# Altium PCB mchf_pro_ui.PcbDoc (part 2 of 5)
Units mil, origin at the board's own origin, x right, y up, seen from the top; angles counter-clockwise.
Board outline 7877.73 x 5661.04 mil, 2 copper layers (Top Layer, Bottom Layer); 336 components, 338 nets, 1291 pads, 827 vias.
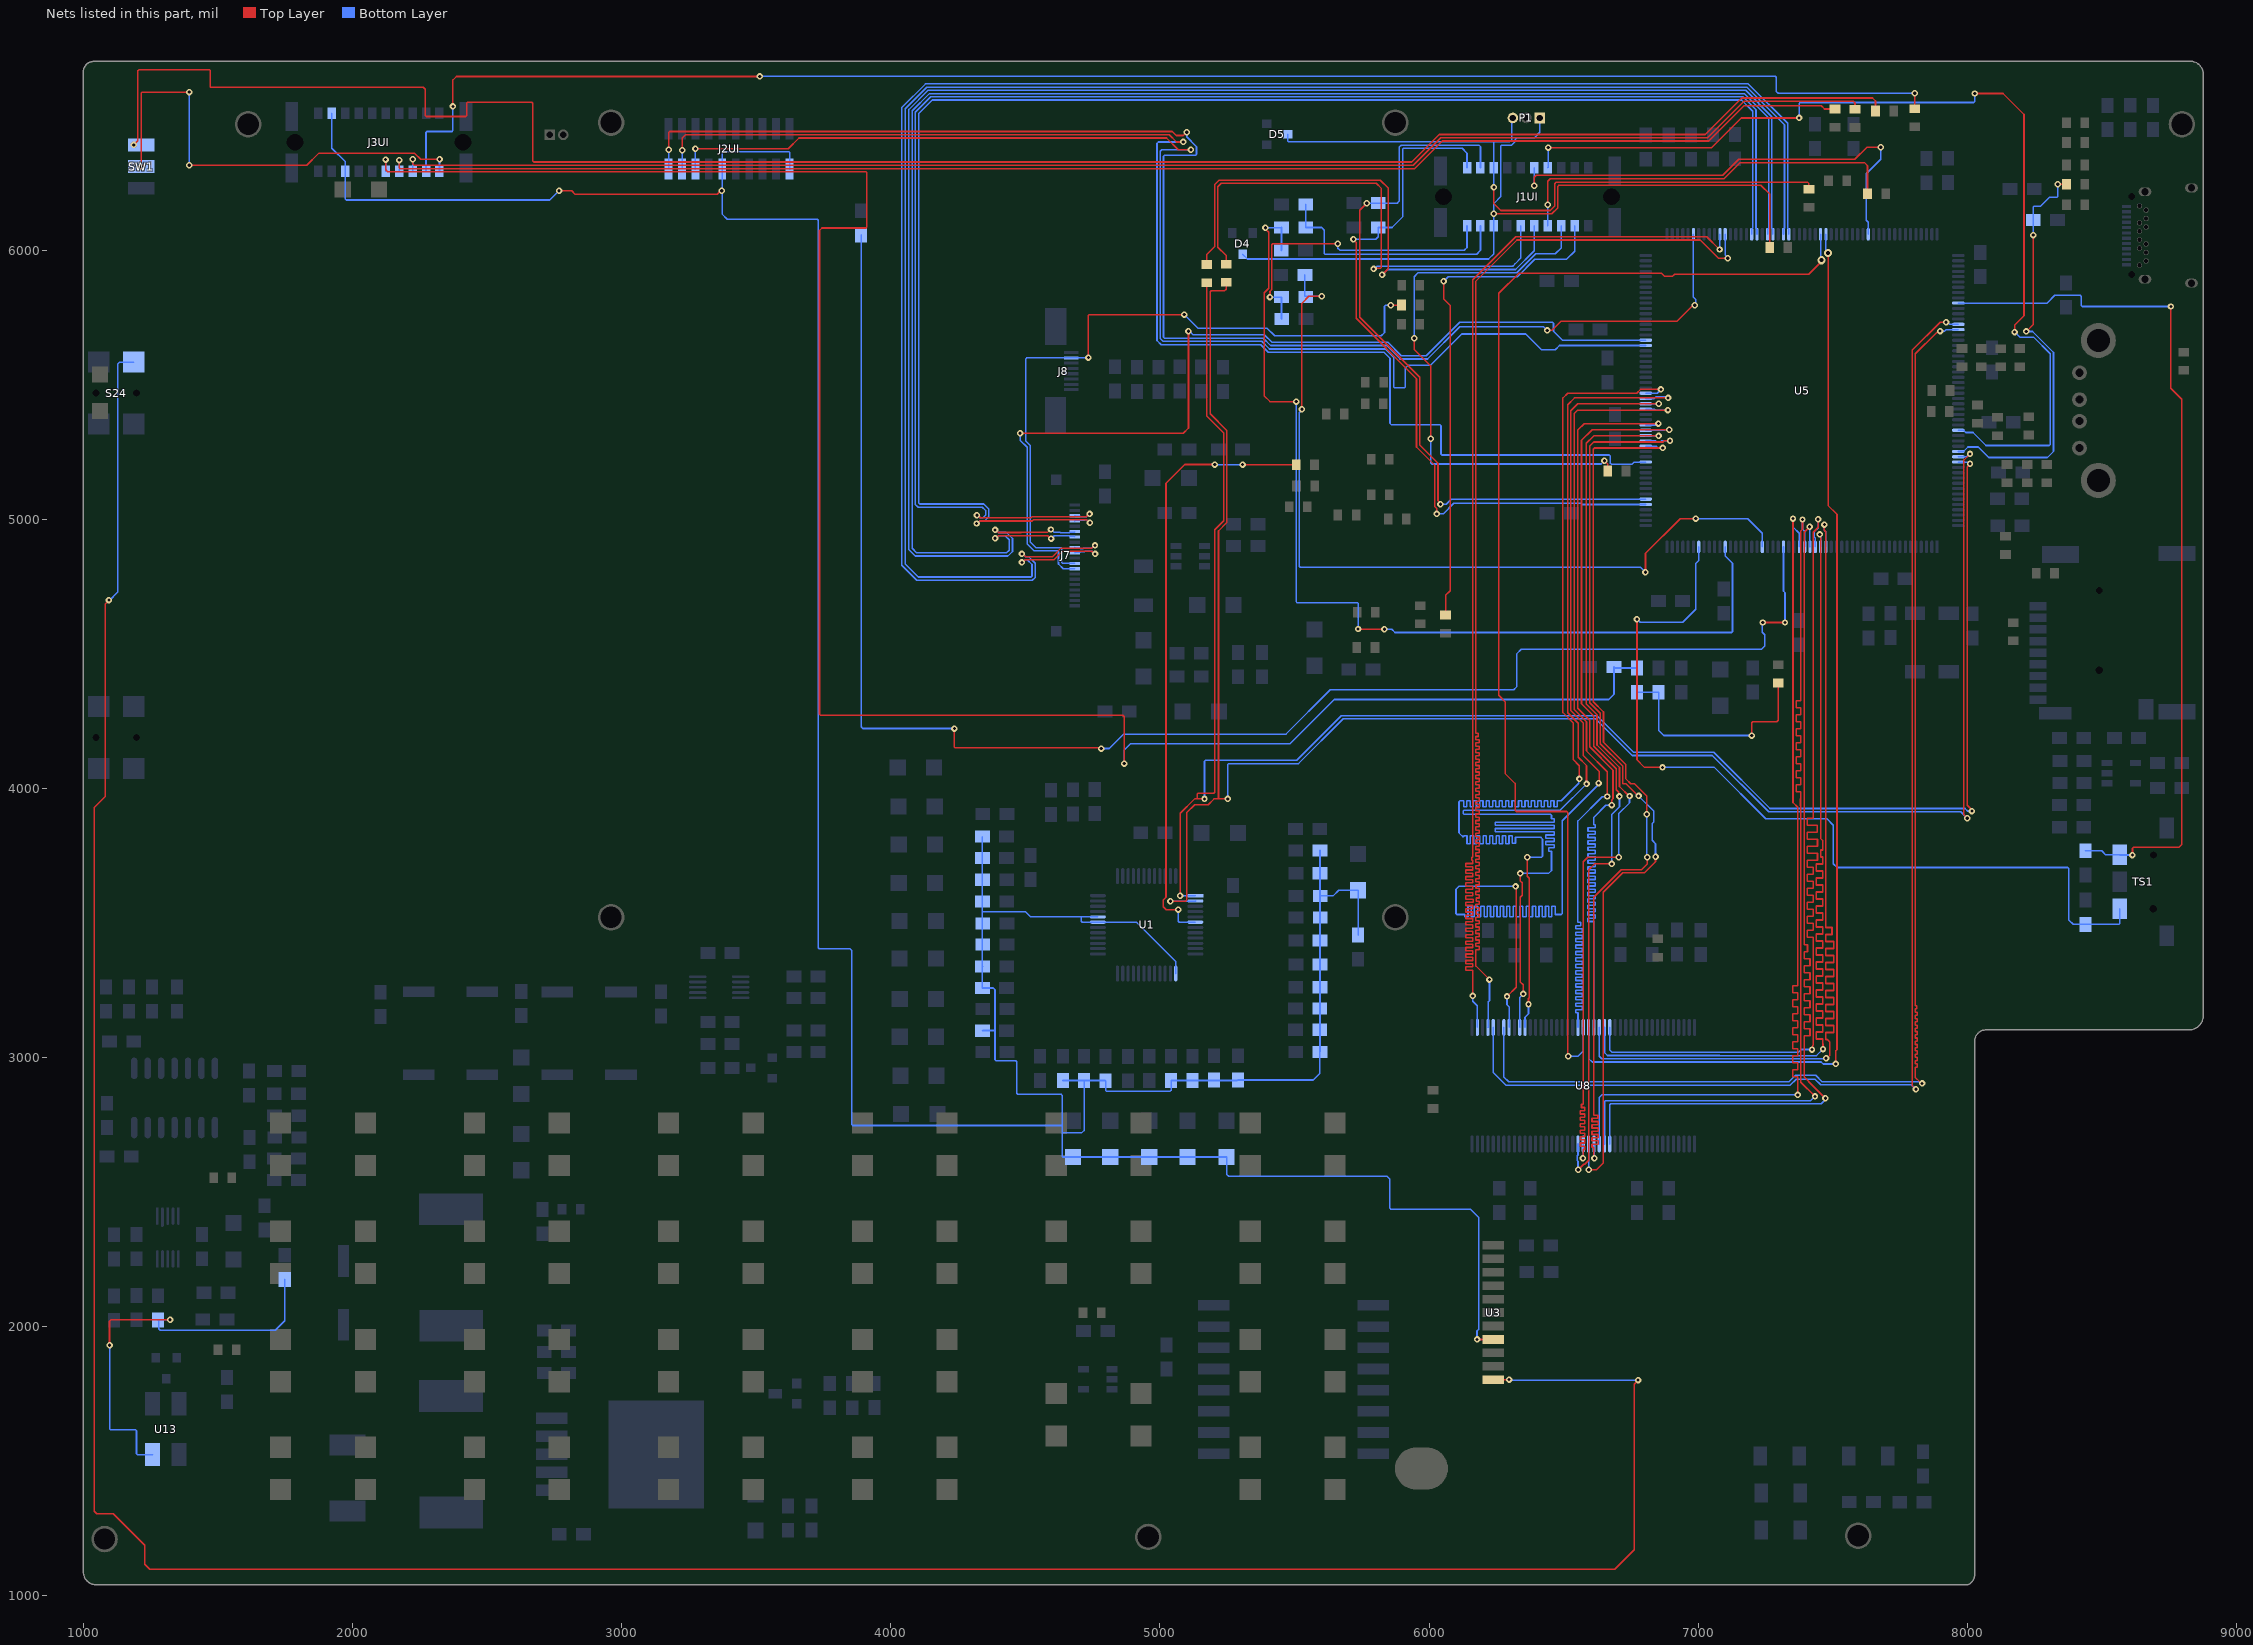
[diagram p2: the nets of this part, all layers, seen from the top]

## Via types
v1: diameter 24, hole 12, Top Layer to Bottom Layer, 621 vias
v2: diameter 30, hole 15, Top Layer to Bottom Layer, 206 vias

## Nets (pads, with @x,y where several pads share a name; then routed paths per layer and width w, separated by ;. In a path a pad name is that pad's centre, name@x,y a point inside that pad or via, vN(x,y) a via of type N, cw(c..) or ccw(c..) an arc to the next point about the centre after c; other vN are vias at no path point)
ADC3_INP1: D3.2 R21.2 U5.41 | length 3705.9
  Top Layer w6: v1(5391.73,6083.66) 5391.73,6079.56 5403.88,6067.41 5403.88,5859.02 5387.65,5842.79 5387.65,5458.99 5408.65,5437.99 v1(5506.56,5437.99) ; v1(5736.4,4592.9) 5736.65,4592.66 5833.82,4592.66 v1(5834.07,4592.41)
  Bottom Layer w6: v1(5391.73,6083.66) 5450.79,6083.66 R21.2@5451.77,6084.65 5451.77,6000 D3.2@5450.79,5999.02 ; v1(5506.56,5437.99) 5505.86,5437.29 5505.86,4695.16 5510.07,4690.94 5732.89,4690.94 5736.4,4687.43 v1(5736.4,4592.9) ; v1(5834.07,4592.41) 5860.82,4592.41 5873.38,4579.85 7123.94,4579.85 7127.45,4583.37 7127.45,4837.35 7100.36,4864.45 U5.41@7100.36,4898.21
ADC3_INP1x: C23.2 J1UI.A19 R21.1 | length 924
  Bottom Layer w6: C23.2@5541.77,6170.28 R21.1@5541.77,6084.65 5601.01,6084.65 5610.7,6074.95 5610.7,6069.98 5610.24,6069.52 5610.24,5988.54 5613.19,5985.59 6176.63,5985.59 6191.04,5999.99 J1UI.A19@6191.04,6090.79
ADC3_INP3: D1.2 M43.1 R7.2 | length 864.6
  Top Layer w6: v1(7199.1,4196.9) 7198.87,4197.13 7198.87,4244.55 7202.38,4248.06 7291.34,4248.06 7297.21,4253.93 M43.1@7297.21,4392.4
  Bottom Layer w6: R7.2@6772.87,4357.83 D1.2@6853.11,4357.83 6853.11,4215.59 6871.69,4197.02 7198.98,4197.02 v1(7199.1,4196.9)
ADC3_INP3x: C14.2 J3UI.A6 R7.1 | length 7510.5
  Top Layer w6: v1(2122.9,6336.96) 2122.9,6299.15 2130.71,6291.34 3907.83,6291.34 3911.34,6287.82 3911.34,6086.62 3907.83,6083.1 3744.09,6083.1 3744.09,6082.78 3735.24,6073.93 3735.24,4275.84 3738.75,4272.32 4861.52,4272.32 4867.12,4266.73 v1(4867.12,4092.81)
  Bottom Layer w6: v1(2122.9,6336.96) 2122.9,6293.44 J3UI.A6@2123.03,6293.31 ; v1(4867.12,4092.81) 4867.12,4143.46 4890.23,4166.58 5483.32,4166.58 5647.73,4330.98 6667.23,4330.98 6687.13,4350.89 C14.2@6687.13,4452.17 6691.47,4447.83 R7.1@6772.87,4447.83
ADC3_INP6: D2.2 R20.2 U5.34 | length 3133.7
  Top Layer w6: v1(5527.56,5409.45) 5527.56,5803.7 5553.13,5829.26 v1(5601.01,5829.26) ; v1(6804.06,4804.13) 6804.06,4874.13 6933.05,5003.12 v1(6991,5003.12)
  Bottom Layer w6: v1(5527.56,5409.45) 5527.56,5406.63 5517.86,5396.93 5517.86,4826.14 5521.38,4822.62 6785.57,4822.62 v1(6804.06,4804.13) ; D2.2@5538.69,5908.96 5538.69,5829.26 v1(5601.01,5829.26) ; v1(6991,5003.12) 7184.08,5003.12 7238.16,4949.05 U5.34@7238.16,4898.21
ADC3_INP6x: C22.2 J1UI.A20 R20.1 | length 1154
  Top Layer w6: v1(5408.65,5826.18) 5409.02,5826.55 5409.02,5847.18 5415.88,5854.05 5415.88,6021.09 5419.4,6024.61 v1(5660.43,6024.61)
  Bottom Layer w6: v1(5408.65,5826.18) R20.1@5451.77,5826.18 5451.77,5745.52 C22.2@5452.63,5744.66 ; v1(5660.43,6024.61) 5661.2,6023.84 5661.2,6007.67 5668.87,6000 6130.91,6000 6141.04,6010.13 J1UI.A20@6141.04,6090.79
ADC3_INP8: R30.1 U5.30 | length 5945.9
  Top Layer w6: v1(4236.22,4223.1) 4236.22,4154.54 4239.74,4151.03 4779.42,4151.03 v1(4781.73,4148.72) ; v1(7239.47,4617.07) v1(7322.48,4617.07)
  Bottom Layer w6: R30.1@3889.76,6056.96 3889.76,4229.33 3896,4223.1 v1(4236.22,4223.1) ; v1(4781.73,4148.72) 4811.6,4148.72 4865.46,4202.58 5468.41,4202.58 5632.81,4366.98 6314.43,4366.98 6325.24,4377.79 6325.24,4500.14 6342.88,4517.78 7234.96,4517.78 7247.09,4529.91 7247.09,4571.8 7238.16,4580.74 7238.16,4615.75 v1(7239.47,4617.07) ; U5.30@7316.9,4898.21 7316.9,4733.89 7322.48,4728.3 v1(7322.48,4617.07)
AGND: CC7.1 CC8.1 CC9.2 CC10.2 CC11.1 CC12.1 CC14.1 CC14E.2 CC15.1 CC16.1 CC17.1 CC17E.2 CC18.2 CC18E.2 CC19.1 CC19E.2 CC20.2 CC20E.2 CC21.2 CC22.2 CC23.1 CC24.1 CC25.2 CC26.2 CC27.2 CC28.1 CC29.1 CC30.1 CC33.2 CC34.2 J2UI.A11 J2UI.A16 J3UI.A3 J3UI.A12 M1.2 R5.2 R6.2 U1.13 U1.31 U1.32 U3.8 | length 14084.9
  Top Layer w6: v1(2767.38,6221.26) 2767.54,6221.11 2814.23,6221.11 2826.52,6208.82 3354.87,6208.82 3367.16,6221.11 v1(3372.04,6221.11) ; v1(6178.29,1953.09) 6238.13,1953.09 U3.8@6238.19,1953.15
  Bottom Layer w6: J3UI.A12@1923.03,6509.84 1923.03,6379.13 1973.62,6328.55 1973.62,6190.52 1977.13,6187.01 2733.13,6187.01 v1(2767.38,6221.26) ; v1(3372.04,6221.11) 3372.92,6221.11 v1@3373.07,6221.26 ; J2UI.A11@3623.82,6301.97 3624.22,6302.37 3624.22,6363.38 3620.7,6366.89 3377.28,6366.89 3373.76,6363.38 J2UI.A16@3373.82,6301.97 J2UI.A16@3373.82,6301.97 3373.07,6301.22 v1@3373.07,6221.26 ; R5.2@4340.18,3821.71 R6.2@4340.18,3742.04 4340.18,3661.34 4340.18,3579.78 4340.18,3543.03 ; CC26.2@4340.34,3100.01 4341.24,3100.91 4387.03,3100.91 ; CC28.1@4341.09,3339 CC28.1@4340.18,3339 ; CC24.1@4639.73,2915.21 CC23.1@4718.3,2915.21 ; U1.32@4769.37,3523.35 4707.35,3523.35 ; U1.13@5058.74,3312.72 5058.74,3357.79 4912.87,3503.66 U1.31@4769.37,3503.66 4710.87,3503.66 4707.35,3507.18 4707.35,3523.35 ; CC7.1@5594.87,3770.01 5594.87,3685.49 CC9.2@5594.87,3601.11 ; M1.2@5736.4,3455.74 CC14E.2@5736.4,3622.39 5664.14,3622.39 5642.86,3601.11 CC9.2@5596.03,3601.11 CC9.2@5594.87,3601.11 ; v1(6178.29,1953.09) 6178.29,1984.39 6185.04,1991.14 6185.04,2406.05 6154.06,2437.04 5858.07,2437.04 5854.55,2440.55 5854.55,2548.86 5844.01,2559.4 5255.19,2559.4 5247.7,2566.89 CC17E.2@5247.7,2630.89 CC18E.2@5102.66,2630.89 CC19E.2@4960.31,2630.89 CC20E.2@4815.13,2630.89 CC25.2@4676.52,2630.89 4639.95,2630.89 4636.44,2634.4 4636.44,2721.73 ; v1@3373.07,6221.26 3373.07,6134.8 3392.41,6115.46 3726.74,6115.46 3730.26,6111.95 3730.26,3408.75 3733.77,3405.24 3848.61,3405.24 3854.2,3399.65 3854.2,2751.76 3857.93,2748.03 4636.44,2748.03 ; CC28.1@4340.18,3339 4340.18,3420.35 4340.18,3499.2 4340.18,3543.03 ; CC28.1@4340.18,3339 CC27.2@4340.18,3259.05 4380.23,3259.05 4387.03,3252.24 4387.03,3100.91 ; 4340.18,3543.03 4499.14,3543.03 4518.83,3523.35 4707.35,3523.35 ; 4387.03,3100.91 4387.03,2992.71 4391.21,2988.54 4464.46,2988.54 4467.98,2985.02 4467.98,2867.74 4471.49,2864.23 4632.87,2864.23 4636.44,2860.66 4636.44,2748.03 ; 4636.44,2721.73 4636.44,2748.03 ; 4636.44,2721.73 4710.15,2721.73 4718.3,2729.89 CC23.1@4718.3,2915.21 ; CC23.1@4718.3,2915.21 4797.11,2915.21 CC22.2@4797.97,2914.36 4797.97,2879.47 4801.48,2875.96 5038.15,2875.96 5041.67,2879.47 CC21.2@5041.67,2915.27 CC20.2@5121.53,2915.27 5200.91,2915.27 5287.64,2915.27 CC18.2@5289.51,2917.14 5569.67,2917.14 5594.13,2941.6 5594.13,3021.12 CC17.1@5594.42,3021.41 5594.87,3021.87 5594.87,3103.89 5594.87,3182.27 5594.87,3261.62 5594.87,3346.89 5594.87,3434.97 5594.87,3520.37 CC9.2@5594.87,3601.11
ATT_CLK: J2UI.A19 U5.65 | length 5048.7
  Top Layer w6: v1(3225.22,6371.38) 3225.22,6417.67 3237.01,6429.46 5034.36,6429.46 5061.26,6402.56 v1(5086.61,6402.56)
  Bottom Layer w6: J2UI.A19@3225.22,6306.28 v1(3225.22,6371.38) ; v1(5086.61,6402.56) 4994.72,6402.56 4989.14,6396.98 4989.14,5664.6 5004.62,5649.12 5374.36,5649.12 5402.22,5621.26 5832.6,5621.26 5854.87,5598.99 5854.87,5356.98 5860.64,5351.21 6040.78,5351.21 6044.29,5347.69 6044.29,5242.99 6047.81,5239.48 6669.48,5239.48 6672.99,5235.96 6672.99,5209.3 6676.51,5205.78 6754.52,5205.78 6761.91,5213.17 U5.65@6805.08,5213.17
ATT_DATA: J2UI.A20 U5.110 | length 5334.6
  Top Layer w6: v1(3174.78,6373.8) 3174.78,6437.95 3178.29,6441.46 5045.69,6441.46 5060.63,6426.52 5086.96,6426.52 v1(5099.41,6438.98) ; v1(6438.92,5702.31) 6456.03,5702.31 6490.69,5736.97 6922.43,5736.97 6981.03,5795.56 v1(6987.55,5795.56)
  Bottom Layer w6: J2UI.A20@3174.78,6307.47 v1(3174.78,6373.8) ; v1(5099.41,6438.98) 5099.71,6438.67 5099.71,6421.58 5136.06,6385.23 5136.06,6356.25 5132.55,6352.73 5016.66,6352.73 5013.14,6349.22 5013.14,5677.15 5016.66,5673.64 5383.79,5673.64 5411.19,5646.24 5842.15,5646.24 5892.04,5596.35 5994.54,5596.35 6114.4,5716.21 6425.02,5716.21 v1(6438.92,5702.31) ; U5.110@6982.25,6059.62 6982.25,5825.51 6990.79,5816.97 6990.79,5798.8 v1(6987.55,5795.56)
ATT_LE: J2UI.A18 U5.87 | length 4863.1
  Top Layer w6: v1(3273.93,6377.6) 3618.74,6377.6 3658.61,6417.46 5024.46,6417.46 5067.91,6374.02 v1(5115.06,6374.02)
  Bottom Layer w6: J2UI.A18@3273.58,6302.21 3273.58,6377.26 v1(3273.93,6377.6) ; v1(5115.06,6374.02) 5006.77,6374.02 5001.14,6368.39 5001.14,5672.18 5011.69,5661.64 5378.82,5661.64 5407.19,5633.26 5837.57,5633.26 5868.09,5602.74 5868.09,5492.18 5871.6,5488.66 5908.27,5488.66 5911.79,5492.18 5911.79,5562.35 5921.79,5572.35 6004.49,5572.35 6121.38,5689.25 6359.54,5689.25 6417.89,5630.91 6469.14,5630.91 6484.47,5646.24 U5.87@6805.08,5646.24
BAND0: J3UI.A8 M34.1 | length 5547.3
  Top Layer w6: v1(2223.48,6338) 2224.22,6337.27 2224.22,6321.04 2229.14,6316.12 5941.12,6316.12 6043.13,6418.13 7034.27,6418.13 7170.09,6553.94 7575.98,6553.94 7582.68,6547.24 M34.1@7582.68,6523.91
  Bottom Layer w6: J3UI.A8@2223.03,6293.31 2223.48,6293.76 v1(2223.48,6338)
BAND1: J3UI.A7 M30.1 | length 5508.5
  Top Layer w6: v1(2173.59,6335.39) 2173.59,6306.85 2177.11,6303.34 5946,6303.34 6048.79,6406.13 7039.24,6406.13 7170.53,6537.42 7456.78,6537.42 7468.95,6525.25 M30.1@7507.81,6525.25
  Bottom Layer w6: J3UI.A7@2173.03,6293.31 2173.59,6293.87 v1(2173.59,6335.39)
BAND2: J1UI.A13 M7.1 | length 2086
  Top Layer w6: v1(5944.88,5673.63) 5944.88,5631.14 6005.94,5570.08 v1(6005.94,5299.48) ; v1(6651.73,5218.04) 6664.08,5205.68 M7.1@6664.08,5179.66
  Bottom Layer w6: v1@5944.77,5673.63 5944.77,5902.14 5958.78,5916.15 6325.66,5916.15 6396.27,5986.76 6469.36,5986.76 6491.04,6008.44 J1UI.A13@6491.04,6090.79 ; v1(6005.94,5299.48) 6005.94,5209.69 6009.46,5206.18 6639.21,5206.18 6651.07,5218.04 v1(6651.73,5218.04)
BAND3: J1UI.A12 M8.1 | length 1884.9
  Top Layer w6: v1(6054.03,5885.3) 6054.03,5819.4 6078.38,5795.04 6078.38,4735.41 6061.38,4718.41 M8.1@6061.38,4644.87
  Bottom Layer w6: v1(6054.03,5885.3) 6070.87,5902.14 6328.62,5902.14 6392.74,5966.26 6510.76,5966.26 6541.04,5996.53 J1UI.A12@6541.04,6090.79
BMS_IRQ: J1UI.A14 M44.1 | length 1491.6
  Top Layer w6: v1(6441.18,6168.9) v1(6441.18,6168.9) 6441.23,6256.9 6449.91,6265.58 7095.55,6265.58 7155.93,6325.97 7617.84,6325.97 7629.15,6314.65 M44.1@7629.15,6210.41
  Bottom Layer w6: v1(6441.18,6168.9) 6441.18,6090.83 J1UI.A14@6441.23,6090.79
BMS_SCL: J1UI.A16 M41.2 | length 1929.7
  Top Layer w6: M41.2@5246.06,5948.12 5246.06,5980.83 5215.13,6011.75 5215.13,6236.65 5227.31,6248.83 5803.49,6248.83 5822.99,6229.33 5822.99,5936.89 5819.48,5933.38 5796.27,5933.38 v1(5793.9,5931)
  Bottom Layer w6: v1(5793.9,5931) 5796.62,5931 5806.41,5940.8 6310.7,5940.8 6319.29,5949.39 6341.04,5971.14 J1UI.A16@6341.04,6090.79
BMS_SDA: J1UI.A15 M42.2 | length 1999.5
  Top Layer w6: M42.2@5173.89,5947.14 5173.89,5984.69 5203.13,6013.94 5203.13,6244.23 5219.74,6260.83 5818.49,6260.83 5847.85,6231.47 5847.85,5931.22 v1(5825.59,5908.96)
  Bottom Layer w6: v1(5825.59,5908.96) 5845.43,5928.8 6321.34,5928.8 6391.04,5998.5 J1UI.A15@6391.04,6090.79
BOOT0: M3e.1 R34.2 U5.194 | length 1545
  Top Layer w6: v1(8219.23,5698.55) 8219.48,5698.55 8245.18,5724.25 v1(8245.18,6056.79) ; v1(8335.63,6245.27) M3e.1@8368.61,6245.27
  Bottom Layer w6: U5.194@7966.5,5252.54 7985.61,5252.54 8002.23,5269.15 8040.65,5269.15 8079.63,5230.17 8297.48,5230.17 8320.1,5252.78 8320.1,5620.56 8242.36,5698.3 8219.48,5698.3 v1(8219.23,5698.55) ; v1(8245.18,6056.79) R34.2@8245.18,6113.19 8245.18,6160.91 8248.69,6164.43 8272.88,6164.43 8305.12,6196.67 8332.12,6196.67 8335.63,6200.18 v1(8335.63,6245.27)
BT_PAIR: S24.2 U3.11 | length 11421.4
  Top Layer w6: v1(1094.88,4700.19) 1080.84,4686.16 1080.84,3970.22 1040.2,3929.58 1040.2,1314.84 1049.76,1305.28 1110.58,1305.28 1227.55,1188.31 1227.55,1118.06 1246.49,1099.12 6689.41,1099.12 6762.57,1172.28 6762.57,1786.47 6776.57,1800.47 v1(6776.57,1802.17) ; U3.11@6238.19,1803.15 6239.17,1804.13 v1(6297.49,1804.13)
  Bottom Layer w6: v1(1094.88,4700.19) 1097.38,4700.19 1127.04,4729.85 1127.04,5576.84 1134.88,5584.69 S24.2@1187.24,5584.69 ; v1(6297.49,1804.13) 6299.45,1802.17 v1(6776.57,1802.17)
CLK_25Mhz: R50.2 R59.2 U13.3 | length 1593.3
  Top Layer w6: v1(1097.44,1931.38) 1096.97,1931.85 1096.97,2021.19 1102.36,2026.57 v1(1321.85,2026.57)
  Bottom Layer w6: v1(1097.44,1931.38) 1097.44,1621.67 1100.96,1618.15 1193.81,1618.15 1197.33,1614.64 1197.33,1528.89 1200.84,1525.37 U13.3@1256.65,1525.37 ; v1(1321.85,2026.57) 1278.62,2026.57 R50.2@1277.8,2025.75 1279.53,2024.01 1279.53,1993.11 1285.57,1987.07 1712.73,1987.07 1748.03,2022.37 R59.2@1748.03,2176.18
CLK_42M: J3UI.A9 M39.1 | length 5987.3
  Top Layer w6: v1(2373.06,6534.46) 2373.06,6632.69 2386.04,6645.67 3512.64,6645.67 v1(3513.27,6646.3) ; M39.1@7804.68,6525.76 M39.1@7804.93,6526 ; M39.1@7804.93,6526 v1(7804.91,6583.17)
  Bottom Layer w6: J3UI.A9@2273.03,6293.31 2273.03,6437.77 2276.55,6441.29 2369.55,6441.29 2373.06,6444.8 v1(2373.06,6534.46) ; v1(3513.27,6646.3) 7286.67,6646.3 7290.18,6642.78 7290.18,6590.19 7297.2,6583.17 v1(7804.91,6583.17)
CODEC_RESET: M26.1 U1.6 | length 2261
  Top Layer w6: v1(5067.74,3550.49) 5066.64,3549.4 5023.46,3549.4 5011.97,3560.89 5011.97,3585.89 5022.64,3596.56 5022.64,5134.77 5091.94,5204.07 v1(5203.67,5204.07) ; v1(5307.09,5203.66) M26.1@5506.89,5203.66
  Bottom Layer w6: v1(5067.74,3550.49) 5067.74,3507.18 5071.25,3503.66 U1.6@5131.57,3503.66 ; v1(5203.67,5204.07) 5203.87,5203.87 5306.88,5203.87 v1(5307.09,5203.66)
CODEC_SCL: M41.1 U1.2 U5.195 | length 7181.7
  Top Layer w6: v1(5039.05,3581.18) 5095.4,3581.18 5098.91,3584.69 5098.91,3909.82 5128.85,3939.76 5179.13,3939.76 5200.91,3961.55 5217.52,3961.55 ; M41.1@5246.06,5880.62 5246.06,5855.78 5240.06,5849.78 5190.55,5849.78 5187.03,5846.27 5187.03,5392.34 5248.67,5330.71 5248.67,4988.52 5217.52,4957.37 5217.52,3961.55 ; v1(5251.91,3961.55) 5217.52,3961.55 ; v1(8000,3889.7) 7987.26,3902.44 7987.26,5220.91 v1(8009.86,5243.51)
  Bottom Layer w6: v1(5039.05,3581.18) 5102.62,3581.18 5102.73,3581.29 5130.46,3581.29 U1.2@5131.57,3582.4 U1.2@5132.68,3581.29 ; v1(5251.91,3961.55) 5251.91,4089.29 5255.42,4092.81 5515.18,4092.81 5681.35,4258.98 6618.73,4258.98 6754.6,4123.12 7052.68,4123.12 7261.61,3914.18 7975.52,3914.18 v1(8000,3889.7) ; U5.195@7966.5,5232.85 7998.03,5232.85 8008.69,5243.51 v1(8009.86,5243.51)
CODEC_SDA: M42.1 U1.1 U5.196 | length 7048.5
  Top Layer w6: v1(5074.97,3602.18) 5074.97,3907.81 5128.7,3961.55 5138.29,3961.55 ; v1(5165.6,3961.55) 5138.29,3961.55 ; M42.1@5173.89,5877.64 5173.89,5384.25 5236.67,5321.47 5236.67,4994.86 5203.67,4961.86 5203.67,3986.56 5200.16,3983.04 5142.29,3983.04 5138.78,3979.53 5138.78,3962.04 5138.29,3961.55 ; v1(8009.86,5207.15) 8009.86,5205 7999.49,5194.63 7999.49,3938.51 8016.83,3921.17 v1(8016.83,3916.3)
  Bottom Layer w6: v1(5074.97,3602.18) 5075.01,3602.13 5131.53,3602.13 U1.1@5131.57,3602.09 ; v1(5165.6,3961.55) 5165.6,4101.65 5169.12,4105.16 5508.02,4105.16 5673.84,4270.98 6623.7,4270.98 6759.57,4135.12 7057.65,4135.12 7266.59,3926.18 7991.14,3926.18 8001.02,3916.3 v1(8016.83,3916.3) ; U5.196@7966.5,5213.17 7998.97,5213.17 8004.99,5207.15 v1(8009.86,5207.15)
DAC1_OUT1: C24.1 J1UI.A10 U5.57 | length 2734.1
  Top Layer w6: v1(5718.87,6041.21) 5718.87,6039.09 5729.27,6028.69 5729.27,5747.09 5953.24,5523.12 5953.24,5269.18 6020.5,5201.92 6020.5,5048.69 6028.52,5040.66 v1(6028.52,5020.54)
  Bottom Layer w6: v1(5718.87,6041.21) 5802.03,6041.21 5811.02,6050.2 C24.1@5811.02,6084.65 5862.21,6084.65 5901.57,6124.01 5901.57,6375.32 5905.09,6378.84 6122.88,6378.84 6141.04,6360.68 J1UI.A10@6141.04,6307.32 ; v1(6028.52,5020.54) 6052.16,5020.54 6091.57,5059.95 6564.43,5059.95 6568.95,5055.44 6804.83,5055.44 U5.57@6805.08,5055.69
DAC1_OUT2: C25.1 J1UI.A9 U5.58 | length 2733.6
  Top Layer w6: v1(5768.7,6175.2) 5742.56,6149.06 5742.56,5750.76 5965.24,5528.09 5965.24,5276.71 6033.18,5208.77 6033.18,5069.31 6042.08,5060.41 v1(6042.08,5056.8)
  Bottom Layer w6: v1(5768.7,6175.2) C25.1@5811.02,6175.2 5881.89,6175.2 5888.64,6181.95 5888.64,6382.73 5896.75,6390.84 6185.69,6390.84 6191.04,6385.49 J1UI.A9@6191.04,6307.32 ; v1(6042.08,5056.8) 6064.14,5056.8 6082.71,5075.37 U5.58@6805.08,5075.37
DAH_IRQ: D5.3 J1UI.A8 M32.1 P1.3 | length 2469.9
  Top Layer w6: v1(6241.04,6234.56) 6241.04,6173.09 6266.28,6147.85 6449.84,6147.85 6466.52,6164.54 6466.52,6247.54 6472.56,6253.58 7405.76,6253.58 7411.42,6247.92 M32.1@7411.42,6226.95
  Bottom Layer w6: D5.3@5475.39,6431.1 5475.39,6406.35 5478.91,6402.84 6298.57,6402.84 6307.75,6412.02 6307.75,6488.08 P1.3@6311.44,6491.78 ; v1(6241.04,6234.56) J1UI.A8@6241.04,6307.32 6241.04,6402.76
DIT_IRQ: D4.3 J1UI.A18 M32a.1 P1.1 | length 2913.7
  Top Layer w6: v1(6240.14,6135.9) 6240.19,6135.85 6456.28,6135.85 6478.76,6158.33 6478.76,6238.07 6482.28,6241.58 7232.83,6241.58 7265.41,6209 M32a.1@7265.41,6010.36
  Bottom Layer w6: D4.3@5307.09,5985.59 5325.16,5967.52 6220.86,5967.52 6241.04,5987.69 J1UI.A18@6241.04,6090.79 6241.04,6135.01 v1(6240.14,6135.9) 6241.04,6136.8 6241.04,6174.12 6265.75,6198.83 6265.75,6259.9 6265.78,6259.94 6265.78,6387.32 6269.3,6390.84 6306.56,6390.84 6319.75,6404.03 6319.75,6412.81 6325.66,6418.72 6391.76,6418.72 6411.44,6438.4 P1.1@6411.44,6491.78
DSI_CLK_N: J7.15 U5.125 | length 6189.3
  Top Layer w6: v1(4387.53,4960.99) 4390.71,4960.99 4400.04,4951.66 4485.31,4951.66 4485.38,4951.72 4582.41,4951.72 4593.27,4962.59 v1(4594.93,4962.59)
  Bottom Layer w6: v1(4387.53,4960.99) 4390.71,4960.99 4400.04,4951.66 4429.52,4951.66 4452,4929.18 4452,4880.84 4435.15,4863.98 4090.84,4863.98 4067.35,4887.48 4067.35,6523.09 4138.56,6594.3 7176.13,6594.3 7273.68,6496.75 7273.68,6082.76 7277.53,6078.91 U5.125@7277.53,6059.62 ; v1(4594.93,4962.59) 4596.58,4962.59 4607.44,4951.72 4629.8,4951.72 4630.64,4950.88 4663.86,4950.88 4664.79,4951.82 4681.15,4951.82 J7.15@4684.06,4954.72
DSI_CLK_P: J7.14 U5.124 | length 6089.7
  Top Layer w6: v1(4387.61,4930.33) 4390.8,4930.33 4400.13,4939.66 4490.29,4939.66 4490.35,4939.72 4582.81,4939.72 4593.67,4928.86 v1(4595.32,4928.86)
  Bottom Layer w6: v1(4387.61,4930.33) 4390.8,4930.33 4400.13,4939.66 4424.55,4939.66 4440,4924.21 4440,4885.81 4430.18,4875.98 4095.81,4875.98 4079.35,4892.45 4079.35,6518.12 4143.53,6582.3 7171.16,6582.3 7261.68,6491.78 7261.68,6082.76 7257.84,6078.91 U5.124@7257.84,6059.62 ; v1(4595.32,4928.86) 4596.97,4928.86 4607.84,4939.72 4624.82,4939.72 4625.67,4938.88 4663.86,4938.88 4664.79,4937.94 4681.15,4937.94 J7.14@4684.06,4935.04
DSI_D0_N: J7.18 U5.122 | length 5904.9
  Top Layer w6: v1(4320,5015.58) 4323.2,5015.58 4332.51,5006.27 4521.25,5006.27 4525.2,5010.22 4726.05,5010.22 4736.45,5020.61 v1(4738.56,5020.61)
  Bottom Layer w6: v1(4320,5015.58) 4323.16,5015.58 4332.51,5006.22 4342.84,5006.22 4352.09,5015.48 4352.09,5033.55 4340.27,5045.37 4101.75,5045.37 4091.35,5055.77 4091.35,6513.15 4148.5,6570.3 7166.19,6570.3 7214.63,6521.86 7214.63,6082.76 7218.47,6078.91 U5.122@7218.47,6059.62 ; J7.18@4684.06,5013.78 4686.96,5010.87 4703.32,5010.87 4704.26,5009.94 4712.74,5009.94 4713.02,5010.22 4726.05,5010.22 4736.45,5020.61 v1(4738.56,5020.61)
DSI_D0_P: J7.17 U5.121 | length 5890.3
  Top Layer w6: v1(4318.55,4984.95) 4321.75,4984.95 4331.07,4994.27 4526.22,4994.27 4530.17,4998.22 4727.28,4998.22 4737.68,4987.82 v1(4739.8,4987.82)
  Bottom Layer w6: v1(4318.55,4984.95) 4321.79,4984.95 4331.07,4994.22 4347.81,4994.22 4364.09,5010.51 4364.09,5038.52 4345.24,5057.37 4106.86,5057.37 4103.35,5060.88 4103.35,6508.18 4153.48,6558.3 7161.22,6558.3 7202.63,6516.89 7202.63,6082.76 7198.79,6078.91 U5.121@7198.79,6059.62 ; J7.17@4684.06,4994.09 4686.96,4997 4703.32,4997 4704.26,4997.94 4717.71,4997.94 4717.99,4998.22 4727.28,4998.22 4737.68,4987.82 v1(4739.8,4987.82)
DSI_D1_N: J7.12 U5.128 | length 6514.4
  Top Layer w6: v1(4487.2,4872.05) 4489.76,4872.05 4499.72,4862.09 4601.21,4862.09 4632.76,4893.64 4746.13,4893.64 4755.86,4903.36 v1(4758.65,4903.36)
  Bottom Layer w6: 4041.15,4922.24 4041.15,4829.68 4096.78,4774.04 4526.04,4774.04 4536.59,4784.59 4536.59,4837.41 4511.91,4862.09 4499.72,4862.09 4489.76,4872.05 v1(4487.2,4872.05) ; 4041.15,4924.21 4041.15,6530.83 4128.62,6618.3 7186.07,6618.3 7332.74,6471.63 7332.74,6082.76 7336.58,6078.91 U5.128@7336.58,6059.62 ; J7.12@4684.06,4895.67 4686.96,4892.76 4703.32,4892.76 4704.26,4891.83 4714.51,4891.83 4716.32,4893.64 4746.13,4893.64 4755.86,4903.36 v1(4758.65,4903.36)
DSI_D1_P: J7.11 U5.127 | length 6417.4
  Top Layer w6: v1(4487.2,4840.13) 4489.76,4840.13 4499.72,4850.09 4606.18,4850.09 4637.73,4881.64 4746.38,4881.64 4756.1,4871.92 v1(4758.89,4871.92)